# KiCad board computing-power-hub.kicad_pcb
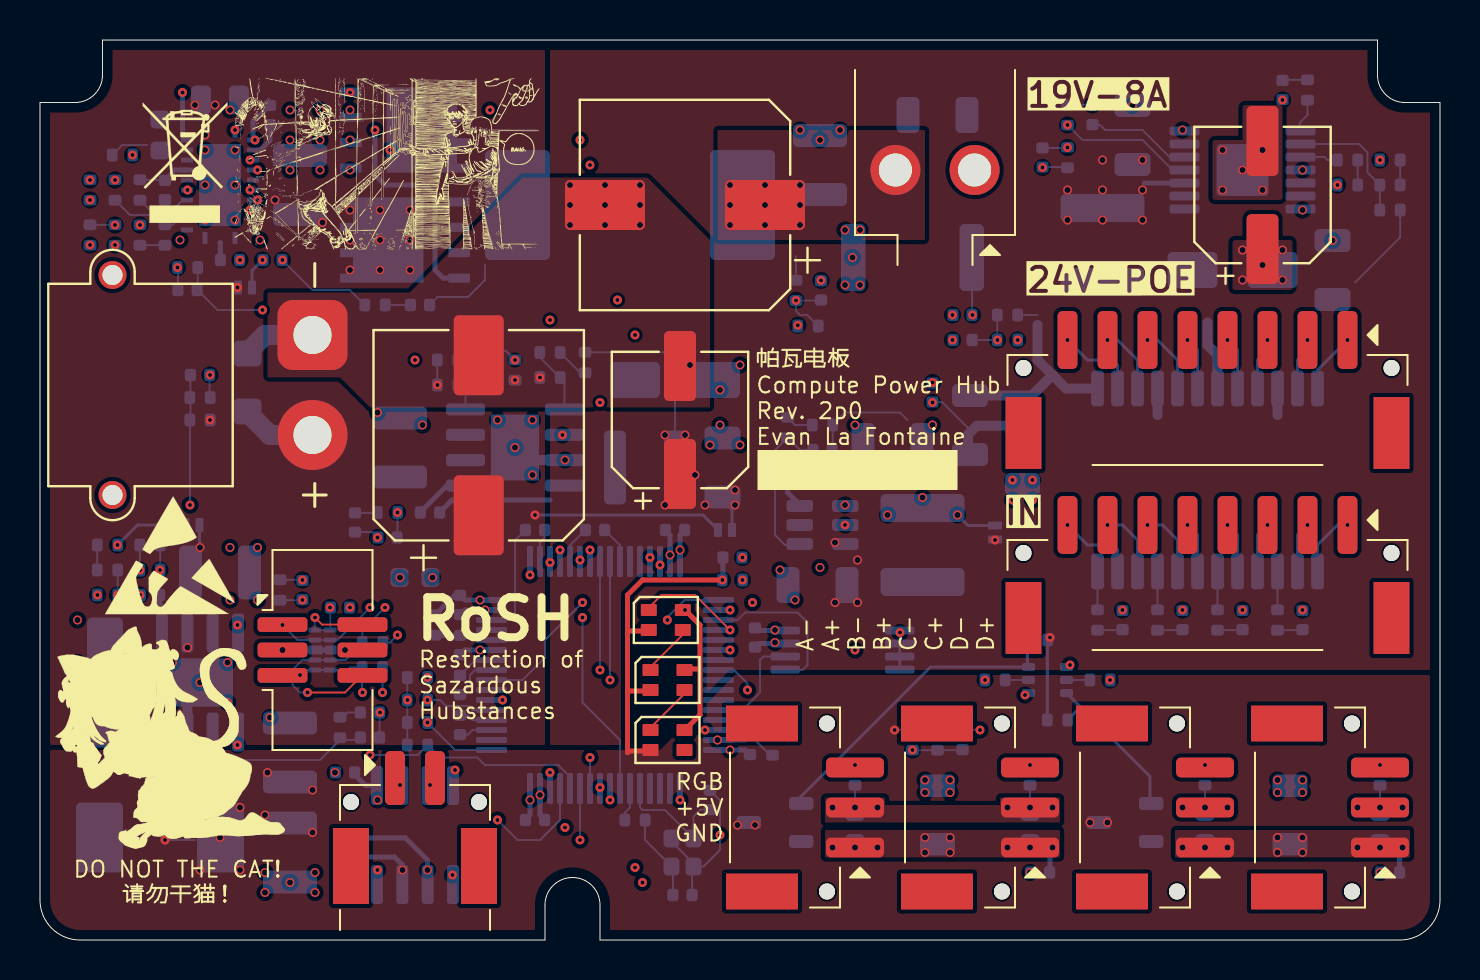
[diagram p0: board, top side]
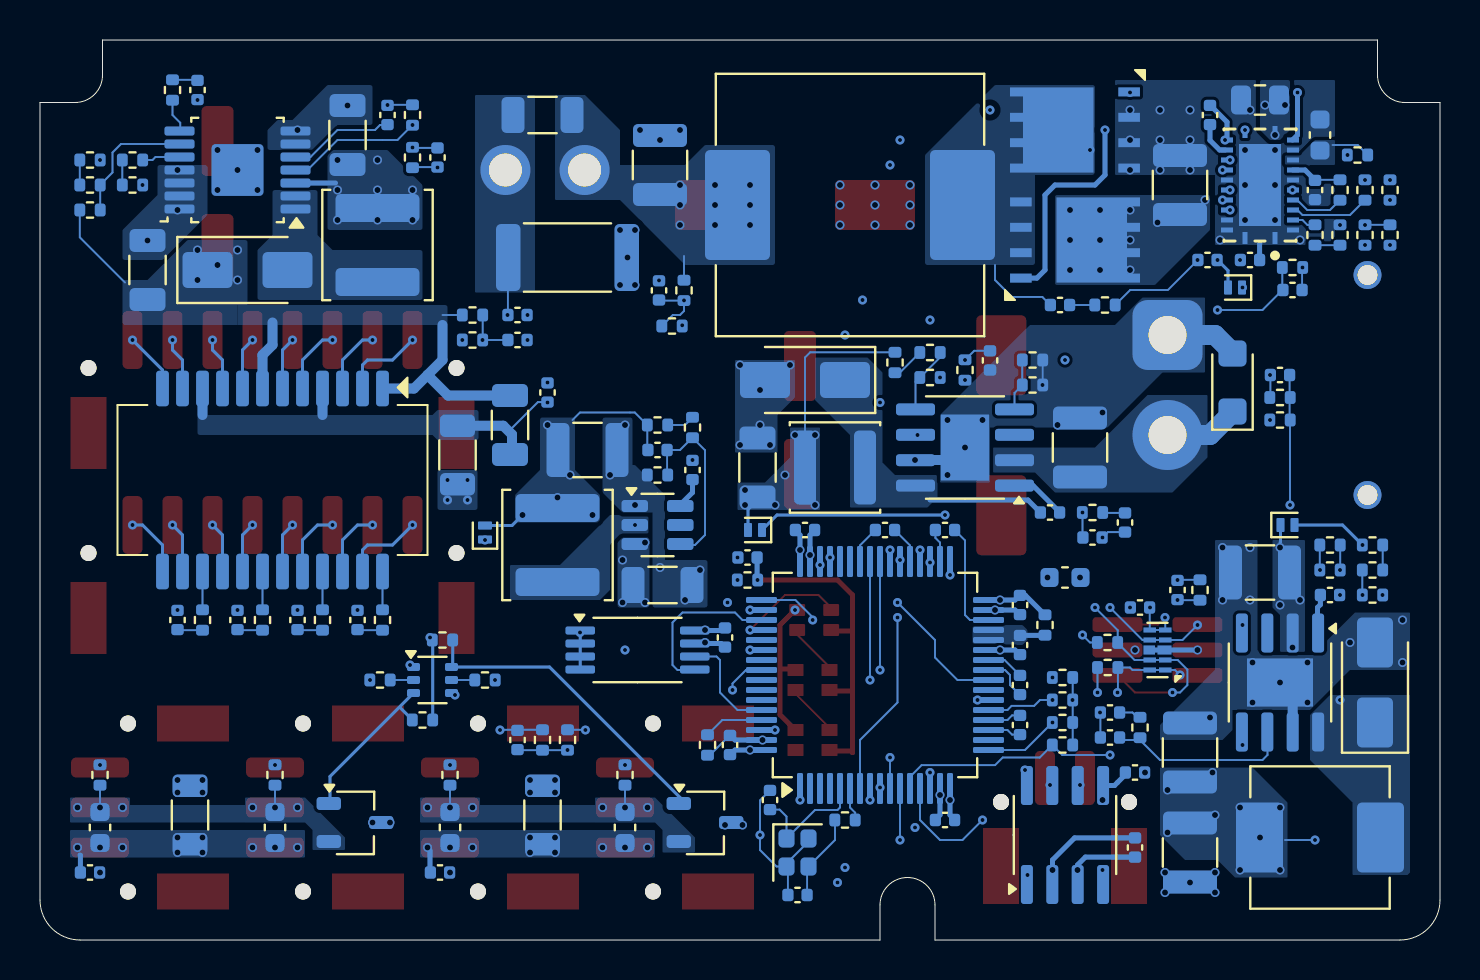
[diagram p1: board, bottom side, seen from below]

Outline 70 x 45 mm; copper layers: Top, In1.Cu, In2.Cu, In3.Cu, In4.Cu, Bottom. Coordinates in mm from the lower left corner of the outline.
Outline path: 0,41.88 0,2 arc(0.59,0.59) 2,0 25.25,0 25.25,1.75 arc(26.62,3.12) 28,1.75 28,0 68,0 arc(69.41,0.59) 70,2 70,41.88 68.25,41.88 arc(67.28,42.28) 66.88,43.25 66.88,45 3.12,45 3.12,43.25 arc(2.72,42.28) 1.75,41.88 0,41.88
Stack: Top 0.035mm / dielectric 0.1mm FR4 er 4.5 / In1.Cu 0.035mm / dielectric 0.535mm FR4 er 4.5 / In2.Cu 0.035mm / dielectric 0.1mm FR4 er 4.5 / In3.Cu 0.035mm / dielectric 0.535mm FR4 er 4.5 / In4.Cu 0.035mm / dielectric 0.1mm FR4 er 4.5 / Bottom 0.035mm

## Placement (name value [footprint] x y rotation side)
C101  220n  [C_0402_1005Metric]  15.25 4.62 270 bottom
C106  10p  [C_0402_1005Metric]  33.5 7 270 bottom
C107  10p  [C_0402_1005Metric]  32.12 2.25 180 bottom
C108  100p  [C_0402_1005Metric]  21 10.75 90 bottom
C109  100p  [C_0402_1005Metric]  21 12.75 270 bottom
C110  100p  [C_0402_1005Metric]  24.75 20.5 0 bottom
C111  100p  [C_0402_1005Metric]  27.75 20.5 180 bottom
C112  10n  [C_0402_1005Metric]  15 16.62 180 bottom
C114  220n  [C_0402_1005Metric]  13.12 17.5 270 bottom
C115  220n  [C_0402_1005Metric]  22.5 28.98 90 bottom
C116  220n  [C_0402_1005Metric]  50.12 39.12 270 bottom
C117  220n  [C_0402_1005Metric]  7.38 32.5 0 bottom
C118  220n  [C_0402_1005Metric]  21 14.75 90 bottom
C120  220n  [C_0402_1005Metric]  35.5 9.75 270 bottom
C121  220n  [C_0402_1005Metric]  31.75 20.5 0 bottom
C122  220n  [C_0402_1005Metric]  24.75 6 180 bottom
C123  220n  [C_0402_1005Metric]  21 16.75 90 bottom
C124  220n  [C_0402_1005Metric]  35.75 15.12 90 bottom
C125  220n  [C_0402_1005Metric]  15.25 8.38 0 bottom
C126  220n  [C_0402_1005Metric]  34.62 19.12 180 bottom
C201  220n  [C_0402_1005Metric]  9.5 34 0 bottom
C202  33n  [C_0402_1005Metric]  11.62 34 180 bottom
C203  33n  [C_0402_1005Metric]  19 31.75 180 bottom
C210  4u7  [C_1210_3225Metric]  13 37.75 270 bottom
C211  2u2  [C_0603_1608Metric]  6 40.25 270 bottom
C212  220n  [C_0402_1005Metric]  6.25 37.5 90 bottom
C213  100n  [C_0402_1005Metric]  11.5 41.25 90 bottom
C214  4u7  [C_1210_3225Metric]  39 38.75 270 bottom
C215  270u  [CP_Elec_10x10]  32.25 36.75 180 top
C216  10n  [C_0402_1005Metric]  39.05 32.48 270 bottom
C217  330n  [C_0805_2012Metric]  9 42 180 bottom
C220  4u7  [C_1210_3225Metric]  18 24.62 270 bottom
C221  3n3  [C_0402_1005Metric]  15.75 20.88 90 bottom
C222  33p  [C_0402_1005Metric]  17.38 20.12 0 bottom
C223  100n  [C_0402_1005Metric]  19.5 21.38 0 bottom
C224  4u7  [C_1206_3216Metric]  34.12 23.62 270 bottom
C225  68u  [CP_Elec_6.3x7.7]  32 26 90 top
C230  4u7  [C_1210_3225Metric]  9 18.38 180 bottom
C231  3n3  [C_0402_1005Metric]  16.5 11.38 180 bottom
C232  33p  [C_0402_1005Metric]  16.5 10.12 180 bottom
C233  100n  [C_0402_1005Metric]  5.5 17.25 180 bottom
C234  22u  [C_1210_3225Metric]  12.5 4.38 90 bottom
C235  22u  [C_1210_3225Metric]  12.5 9.38 270 bottom
C236  10n  [C_0402_1005Metric]  46.12 10 270 bottom
C240  4u7  [C_1206_3216Metric]  54.62 40.25 270 bottom
C241  33n  [C_0402_1005Metric]  52.62 41.25 270 bottom
C242  10n  [C_0402_1005Metric]  62.12 42.5 90 bottom
C243  2u2  [C_1206_3216Metric]  64.62 33.5 270 bottom
C244  68u  [CP_Elec_6.3x7.7]  61.12 37.25 90 top
C245  10n  [C_0402_1005Metric]  46.12 30 0 bottom
C250  2u2  [C_1206_3216Metric]  38.88 17.75 0 bottom
C251  220n  [C_0402_1005Metric]  37.38 23.5 90 bottom
C252  33p  [C_0402_1005Metric]  39.12 24.5 0 bottom
C253  10u  [C_1210_3225Metric]  42.62 24.5 0 bottom
C260  2u2  [C_0603_1608Metric]  18.75 18.12 0 bottom
C301  2u2  [C_0603_1608Metric]  49.5 5.62 270 bottom
C302  2u2  [C_0603_1608Metric]  40.75 5.62 270 bottom
C303  2u2  [C_0603_1608Metric]  58.25 5.62 270 bottom
C304  2u2  [C_0603_1608Metric]  67 5.62 270 bottom
C306  2u2  [C_1206_3216Metric]  44.88 41.25 180 bottom
C307  2u2  [C_1206_3216Metric]  46.5 25.75 90 bottom
C308  220n  [C_0402_1005Metric]  67.5 3.38 0 bottom
C310  270u  [CP_Elec_10x10]  21.94 25.24 90 top
C311  10n  [C_0402_1005Metric]  8 28.25 180 bottom
C320  1n  [C_0402_1005Metric]  54.12 16 270 bottom
C321  1n  [C_0402_1005Metric]  57.12 16 270 bottom
C322  1n  [C_0402_1005Metric]  60.12 16 270 bottom
C323  1n  [C_0402_1005Metric]  63.12 16 270 bottom
C324  220n  [C_0402_1005Metric]  44.62 27.38 270 bottom
C330  220n  [C_0402_1005Metric]  46.12 31.25 0 bottom
C350  220n  [C_0402_1005Metric]  50 3.38 0 bottom
D101  -  [WS2812B-2020]  31.38 13 0 top
D102  -  [WS2812B-2020]  31.29 16 0 top
D104  3V3  [Diodes_UDFN-10_1.0x2.5mm_P0.5mm]  14.12 14.5 0 bottom
D105  -  [WS2812B-2020]  31.38 10 0 top
D201  SBR0240LP-7  [D_SOD-882]  10.25 32.62 0 bottom
D202  SBR0240LP-7  [D_SOD-882]  34.25 20.5 0 bottom
D203  SBR0240LP-7  [D_SOD-882]  7.62 20.75 180 bottom
D204  SBR0240LP-7  [D_SOD-882]  47.75 20.38 90 bottom
D220  D_Schottky_Small  [D_SMA]  31.75 28 0 bottom
D230  D_Schottky_Small  [D_SMA]  3.25 12.88 90 bottom
D240  D_Schottky_Small  [D_SMA]  59.62 33.5 180 bottom
D310  30V  [D_SMF]  10.38 27.88 90 bottom
J101  IDC_6P  [IDC6]  14.12 14.5 270 top
J105  -  [BM03B-PASS]  40.75 6.62 270 top
J106  -  [BM03B-PASS]  49.5 6.62 270 top
J107  -  [BM03B-PASS]  58.25 6.62 270 top
J108  -  [BM03B-PASS]  67 6.62 270 top
J109  -  [SM02B-PASS]  18.75 0 180 top
J310  XT30M  [AMASS_XT30PW-M_1x02_P2.50mm_Horizontal]  13.62 30.25 90 top
J320  -  [BM08B-PASS]  58.38 20.75 0 top
J321  -  [BM08B-PASS]  58.38 30 0 top
J330  S2P-VH  [B2P-VH]  44.75 43.5 0 top
L210  4u7  [L_Changjiang_FXL1360]  29.5 36.75 0 bottom
L220  4u7  [L_Changjiang_FNR4020S]  30.25 23.62 0 bottom
L230  2u2  [L_Changjiang_FXL0630]  6 5.12 0 bottom
L240  15u  [L_Changjiang_FNR5040S]  53.12 34.75 270 bottom
L250  15u  [L_Changjiang_FNR5040S]  44.12 19.75 90 bottom
L260  600R  [R_0402_1005Metric]  19.75 15.75 270 bottom
Q210  IRFH7440TRPBF  [PQFN_5x6mm_E_DGS]  18.25 35 180 bottom
Q211  IRFH7440TRPBF  [PQFN_5x6mm_E_DGS]  18.25 40.5 0 bottom
Q301  SSM3K333R  [TSOT-23]  36.75 5.88 180 bottom
Q302  BC846S  [SOT-363]  50.38 13 180 bottom
Q303  SSM3K333R  [TSOT-23]  54.25 5.88 180 bottom
R101  10k  [R_0402_1005Metric]  16.62 14.88 0 bottom
R102  10k  [R_0402_1005Metric]  16.61 13.62 0 bottom
R115  1k  [R_0402_1005Metric]  34.62 18 0 bottom
R116  470R  [R_0402_1005Metric]  29.75 6 180 bottom
R119  10k  [R_0402_1005Metric]  36.62 9.75 270 bottom
R120  2k2  [R_0402_1005Metric]  18.88 12 0 bottom
R121  2k2  [R_0402_1005Metric]  18.88 10.88 0 bottom
R122  2k2  [R_0402_1005Metric]  18.88 13.12 0 bottom
R123  2k2  [R_0402_1005Metric]  18.88 9.75 0 bottom
R201  10k  [R_0402_1005Metric]  16.75 31.75 180 bottom
R210  10k  [R_0402_1005Metric]  2.5 37.5 270 bottom
R211  100k  [R_0402_1005Metric]  5 37.5 270 bottom
R212  10k  [R_0402_1005Metric]  4.12 39.25 0 bottom
R213  6k8  [R_0402_1005Metric]  6.25 35.25 270 bottom
R214  33k  [R_0402_1005Metric]  5 35.25 90 bottom
R215  22k  [R_0402_1005Metric]  3.75 37.5 90 bottom
R216  220k  [R_0402_1005Metric]  3.75 35.25 90 bottom
R217  10k  [R_0402_1005Metric]  2.5 35.25 270 bottom
R219  100k  [R_0402_1005Metric]  37.8 32.48 270 bottom
R220  10k  [R_0402_1005Metric]  17.38 21.38 180 bottom
R221  100k  [R_0402_1005Metric]  20.38 27.75 180 bottom
R222  220k  [R_0402_1005Metric]  20.38 29 180 bottom
R223  100k  [R_0402_1005Metric]  27.25 28.88 270 bottom
R224  47k  [R_0402_1005Metric]  25.5 29.38 180 bottom
R225  10k  [R_0402_1005Metric]  25.5 28.12 180 bottom
R230  10k  [R_0402_1005Metric]  15 10.62 90 bottom
R231  100k  [R_0402_1005Metric]  5.5 18.5 180 bottom
R232  220k  [R_0402_1005Metric]  5.5 19.75 180 bottom
R233  47k  [R_0402_1005Metric]  3.38 19.75 180 bottom
R234  4k7  [R_0402_1005Metric]  3.38 18.5 0 bottom
R235  10k  [R_0402_1005Metric]  3.38 17.25 180 bottom
R236  10k  [R_0402_1005Metric]  43.62 10 270 bottom
R240  10k  [R_0402_1005Metric]  51.38 41.25 90 bottom
R241  47k  [R_0402_1005Metric]  65.38 39 0 bottom
R242  22k  [R_0402_1005Metric]  65.38 37.75 180 bottom
R243  4k7  [R_0402_1005Metric]  63.38 42.5 90 bottom
R244  220k  [R_0402_1005Metric]  67.5 36.5 180 bottom
R246  10k  [R_0402_1005Metric]  67.5 37.75 0 bottom
R247  1k5  [R_0402_1005Metric]  67.5 39 180 bottom
R248  100k  [R_0402_1005Metric]  48.38 31.25 180 bottom
R249  10k  [R_0402_1005Metric]  48.38 30 0 bottom
R250  22k  [R_0402_1005Metric]  39.12 25.75 180 bottom
R251  10k  [R_0402_1005Metric]  37.38 25.62 270 bottom
R252  10k  [R_0402_1005Metric]  39.12 23.25 0 bottom
R270  10k  [R_0402_1005Metric]  38.4 30.7 180 bottom
R301  50m  [R_1206_3216Metric]  62.5 6.25 90 bottom
R302  10k  [R_0402_1005Metric]  47.75 13 180 bottom
R303  100k  [R_0402_1005Metric]  50.88 11 0 bottom
R310  220k  [R_0402_1005Metric]  8 26 180 bottom
R311  10k  [R_0402_1005Metric]  8 27.12 0 bottom
R320  47R  [R_0402_1005Metric]  52.88 16 270 bottom
R321  47R  [R_0402_1005Metric]  55.88 16 270 bottom
R322  47R  [R_0402_1005Metric]  58.88 16 270 bottom
R323  47R  [R_0402_1005Metric]  61.88 16 270 bottom
R324  100m  [R_1206_3216Metric]  49.12 24.25 270 bottom
R327  10k  [R_0402_1005Metric]  44.88 10 90 bottom
R330  20m  [R_2512_6332Metric]  43.62 34.12 180 bottom
R350  10k  [R_0402_1005Metric]  53 13 0 bottom
R351  100k  [R_0402_1005Metric]  49.88 15 180 bottom
R352  1k  [R_0402_1005Metric]  40.75 8.25 270 bottom
R353  1k  [R_0402_1005Metric]  49.5 8.25 270 bottom
R354  1k  [R_0402_1005Metric]  58.25 8.25 270 bottom
R355  1k  [R_0402_1005Metric]  67 8.25 270 bottom
R356  50m  [R_1206_3216Metric]  44.88 6.25 90 bottom
REF**  -  [ESD-Logo_6.6x6mm_SilkScreen]  6.5 19.25 0 top
REF**#2  -  [WEEE-Logo_4.2x6mm_SilkScreen]  7.25 38.88 0 top
TH101  10k  [R_0402_1005Metric]  12 17.5 90 bottom
TH102  10k  [R_0402_1005Metric]  23.75 28.5 270 bottom
TH103  10k  [R_0402_1005Metric]  51.38 39.12 90 bottom
TH104  10k  [R_0402_1005Metric]  7.38 33.62 180 bottom
TR101  G2419S  [Transformer_Ethernet]  58.38 23 270 bottom
U101  STM32G474_ComputePower  [LQFP-64-0.5]  28.25 13.25 90 bottom
U102  TCAN1462V  [SOIC-8_3.9x4.9mm_P1.27mm]  18.75 5.25 90 bottom
U103  ZD24C128A  [TSSOP-8_4.4x3mm_P0.65mm]  40.12 14.5 180 bottom
U201  LM5148  [RGY0024E-MFG]  9 37.75 0 bottom
U220  TPS54560BDDA  [SOIC-8-1EP_3.9x4.9mm_P1.27mm_EP2.41x3.3mm]  23.75 24.62 0 bottom
U230  TPS54560BDDA  [SOIC-8-1EP_3.9x4.9mm_P1.27mm_EP2.41x3.3mm]  8 12.88 270 bottom
U240  TPS61175  [PowerPAD_HTSSOP-14_4.4x5.0-0.65-EP]  60.12 38.5 0 bottom
U250  AP62200TWU  [TSOT-23-6]  39.12 20.75 180 bottom
Y101  24Mhz  [Crystal_SMD_2016-4Pin_2.0x1.6mm]  32.12 4.38 270 bottom

## Library data of the parts
C101 C106-C112 C114-C118 C120-C126 C201-C203 C210-C214 C216 C217 C220-C224 C230-C236 C240-C243 C245 C250-C253 C260 C301-C304 C306-C308 C311 C320-C324 C330 C350 = -: ki_fp_filters: C_*
C215 C225 C244 C310 = -: ki_fp_filters: CP_*
D101 D102 D105 = -: ki_fp_filters: LED*WS2812*-2020_PLCC4*
D104 D201-D204 D220 D230 D240 D310 = -: ki_fp_filters: TO-???* *_Diode_* *SingleDiode* D_*
J105-J109 J310 J320 J321 J330 = -: ki_fp_filters: Connector*:*_1x??_*
L210 L220 L230 L240 L250 L260 = -: ki_fp_filters: Choke_* *Coil* Inductor_* L_*
Q210 Q211 = -: Datasheet: https://www.infineon.com/assets/row/public/documents/24/42/an-1136j.pdf?fileId=5546d46256fb43b301574c5f123f7bde; Description: Infineon PQFN 5x6mm MOSFET package
R101 R102 R115 R116 R119-R123 R201 R210-R217 R219-R225 R230-R236 R240-R244 R246-R252 R270 R301-R303 R310 R311 R320-R324 R327 R330 R350-R356 TH101-TH104 = -: ki_fp_filters: R_*
TR101 = -: ki_fp_filters: Transformer*Ethernet*YDS*30F?51NL*
U101 = -: ki_fp_filters: LQFP64-10x10mm
U103 = -: ki_fp_filters: DIP*W7.62mm* SOIC*3.9x4.9mm* TSSOP*4.4x3mm*P0.65mm* DFN*3x2mm*P0.5mm*
U220 U230 = -: ki_fp_filters: Texas*R*PDSO*G8*
U250 = -: ki_fp_filters: TSOT?23*
Y101 = -: ki_fp_filters: Crystal*

## Footprints (pads in the part's own frame, mm; a bottom-side part is the same pattern mirrored in y, then rotated)
AMASS_XT30PW-M_1x02_P2.50mm_Horizontal
  round 1.4 hole 1: (-8,10) (3,10)
  rrect 3.5x3.5 hole 1.9: 1(0,0)
  round 3.5 hole 1.9: 2(-5,0)
B2P-VH
  round 2.5 hole 1.65: 1(1.98,-5) 2(-1.98,-5)
BM03B-PASS
  round 0.8 hole 0.8 unplated: (-4.2,-1.4) (4.2,-1.4)
  rect 1.8x3.6 smd: (-4.2,-4.65) (4.2,-4.65)
  rrect 1x2.9 smd: 1(2,0) 2(0,0) 3(-2,0)
BM08B-PASS
  round 0.8 hole 0.8 unplated: (-9.2,-1.4) (9.2,-1.4)
  rect 1.8x3.6 smd: (-9.2,-4.65) (9.2,-4.65)
  rrect 1x2.9 smd: 1(7,0) 2(5,0) 3(3,0) 4(1,0) 5(-1,0) 6(-3,0) 7(-5,0) 8(-7,0)
C_0402_1005Metric
  rrect 0.56x0.62 smd: 1(-0.48,0) 2(0.48,0)
C_0603_1608Metric
  rrect 0.9x0.95 smd: 1(-0.775,0) 2(0.775,0)
C_0805_2012Metric
  rrect 1x1.45 smd: 1(-0.95,0) 2(0.95,0)
C_1206_3216Metric
  rrect 1.15x1.8 smd: 1(-1.475,0) 2(1.475,0)
C_1210_3225Metric
  rrect 1.15x2.7 smd: 1(-1.475,0) 2(1.475,0)
CP_Elec_6.3x7.7
  rrect 3.5x1.6 smd: 1(-2.7,0) 2(2.7,0)
CP_Elec_10x10
  rrect 4x2.5 smd: 1(-4,0) 2(4,0)
Crystal_SMD_2016-4Pin_2.0x1.6mm
  rrect 0.9x0.8 smd: 1(-0.7,-0.55) 2(0.7,-0.55) 3(0.7,0.55) 4(-0.7,0.55)
D_SMA
  rrect 2.5x1.8 smd: 1(-2,0) 2(2,0)
D_SMF
  rrect 1.3x1.4 smd: 1(-1.45,0) 2(1.45,0)
D_SOD-882
  rrect 0.3x0.6 smd: (-0.35,0) (0.35,0)
  rrect 0.4x0.7 smd: 1(-0.35,0) 2(0.35,0)
Diodes_UDFN-10_1.0x2.5mm_P0.5mm
  rect 0.625x0.25 smd: 1(-0.388,1) 2(-0.388,0.5) 4(-0.388,-0.5) 5(-0.388,-1) 6(0.388,-1) 7(0.388,-0.5) 9(0.388,0.5) 10(0.388,1)
  rect 0.7x0.45 smd: 3(-0.35,0)
  rect 0.575x0.45 smd: 8(0.412,0)
IDC6
  rrect 0.74x2.5 smd: 1(-1.27,-2) 2(-1.27,2) 3(0,-2) 4(0,2) 5(1.27,-2) 6(1.27,2)
L_Changjiang_FNR4020S
  rrect 1.1x3.7 smd: 1(-1.5,0) 2(1.5,0)
L_Changjiang_FNR5040S
  rrect 1.4x4.2 smd: 1(-1.85,0) 2(1.85,0)
L_Changjiang_FXL0630
  rrect 2.35x3.5 smd: 1(-3.025,0) 2(3.025,0)
L_Changjiang_FXL1360
  rrect 3.25x5.5 smd: 1(-5.625,0) 2(5.625,0)
LQFP-64-0.5
  rrect 1.55x0.3 smd: 1(-5.675,3.75) 2(-5.675,3.25) 3(-5.675,2.75) 4(-5.675,2.25) 5(-5.675,1.75) 6(-5.675,1.25) 7(-5.675,0.75) 8(-5.675,0.25) 9(-5.675,-0.25) 10(-5.675,-0.75) 11(-5.675,-1.25) 12(-5.675,-1.75) 13(-5.675,-2.25) 14(-5.675,-2.75) 15(-5.675,-3.25) 16(-5.675,-3.75) 33(5.675,-3.75) 34(5.675,-3.25) 35(5.675,-2.75) 36(5.675,-2.25) 37(5.675,-1.75) 38(5.675,-1.25) 39(5.675,-0.75) 40(5.675,-0.25) 41(5.675,0.25) 42(5.675,0.75) 43(5.675,1.25) 44(5.675,1.75) 45(5.675,2.25) 46(5.675,2.75) 47(5.675,3.25) 48(5.675,3.75)
  rrect 0.3x1.55 smd: 17(-3.75,-5.675) 18(-3.25,-5.675) 19(-2.75,-5.675) 20(-2.25,-5.675) 21(-1.75,-5.675) 22(-1.25,-5.675) 23(-0.75,-5.675) 24(-0.25,-5.675) 25(0.25,-5.675) 26(0.75,-5.675) 27(1.25,-5.675) 28(1.75,-5.675) 29(2.25,-5.675) 30(2.75,-5.675) 31(3.25,-5.675) 32(3.75,-5.675) 49(3.75,5.675) 50(3.25,5.675) 51(2.75,5.675) 52(2.25,5.675) 53(1.75,5.675) 54(1.25,5.675) 55(0.75,5.675) 56(0.25,5.675) 57(-0.25,5.675) 58(-0.75,5.675) 59(-1.25,5.675) 60(-1.75,5.675) 61(-2.25,5.675) 62(-2.75,5.675) 63(-3.25,5.675) 64(-3.75,5.675)
PowerPAD_HTSSOP-14_4.4x5.0-0.65-EP
  rrect 1.1x0.45 smd: (-3.11,-1.95) (-3.11,-1.3) (-3.11,-0.65) (-3.1,0) (-3.1,0.65) (-3.1,1.3) (-3.1,1.95) (3.09,-1.95) (3.09,-1.3) (3.09,-0.65) (3.1,0) (3.1,0.65) (3.1,1.3) (3.1,1.95)
  rrect 0.995x0.99 smd: (-0.65,-0.625) (-0.65,0.655) (0.652,-0.625) (0.652,0.655)
  rrect 1.5x0.45 smd: 1(-2.9,1.95) 2(-2.9,1.3) 3(-2.9,0.65) 4(-2.9,0) 5(-2.9,-0.65) 6(-2.9,-1.3) 7(-2.9,-1.95) 8(2.9,-1.95) 9(2.9,-1.3) 10(2.9,-0.65) 11(2.9,0) 12(2.9,0.65) 13(2.9,1.3) 14(2.9,1.95)
  rrect 2.6x2.59 smd: 15(0,0)
PQFN_5x6mm_E_DGS
  custom 4.18x4.26 smd: 1(0.838,0)
  rect 1.08x0.45 smd: 2(-2.708,-1.905) 3(-2.708,-0.635) 3(-2.708,0.635) 3(-2.708,1.905)
R_0402_1005Metric
  rrect 0.54x0.64 smd: 1(-0.51,0) 2(0.51,0)
R_1206_3216Metric
  rrect 1.125x1.75 smd: 1(-1.462,0) 2(1.462,0)
R_2512_6332Metric
  rrect 1.225x3.35 smd: 1(-2.962,0) 2(2.962,0)
RGY0024E-MFG
  rect 0.25x0.6 smd: 1(-0.75,2.65) 12(-0.75,-2.65) 13(0.75,-2.65) 24(0.75,2.65)
  rect 0.6x0.25 smd: 2(-1.65,2.25) 3(-1.65,1.75) 4(-1.65,1.25) 5(-1.65,0.75) 6(-1.65,0.25) 7(-1.65,-0.25) 8(-1.65,-0.75) 9(-1.65,-1.25) 10(-1.65,-1.75) 11(-1.65,-2.25) 14(1.65,-2.25) 15(1.65,-1.75) 16(1.65,-1.25) 17(1.65,-0.75) 18(1.65,-0.25) 19(1.65,0.25) 20(1.65,0.75) 21(1.65,1.25) 22(1.65,1.75) 23(1.65,2.25)
  rect 2.1x4.1 smd: 25(0,0)
SM02B-PASS
  rect 1.8x3.8 smd: (-3.2,-3.7) (3.2,-3.7)
  round 0.8 hole 0.8 unplated: (-3.2,-6.9) (3.2,-6.9)
  rrect 1x2.7 smd: 1(1,-8.1) 2(-1,-8.1)
SOIC-8-1EP_3.9x4.9mm_P1.27mm_EP2.41x3.3mm
  rrect 0.97x1.33 smd: (-0.6,-0.825) (-0.6,0.825) (0.6,-0.825) (0.6,0.825)
  rrect 1.95x0.6 smd: 1(-2.475,1.905) 2(-2.475,0.635) 3(-2.475,-0.635) 4(-2.475,-1.905) 5(2.475,-1.905) 6(2.475,-0.635) 7(2.475,0.635) 8(2.475,1.905)
  rect 2.41x3.3 smd: 9(0,0)
SOIC-8_3.9x4.9mm_P1.27mm
  rrect 1.95x0.6 smd: 1(-2.475,1.905) 2(-2.475,0.635) 3(-2.475,-0.635) 4(-2.475,-1.905) 5(2.475,-1.905) 6(2.475,-0.635) 7(2.475,0.635) 8(2.475,1.905)
SOT-363
  rrect 0.65x0.4 smd: 1(-0.95,0.65) 2(-0.95,0) 3(-0.95,-0.65) 4(0.95,-0.65) 5(0.95,0) 6(0.95,0.65)
Transformer_Ethernet
  rrect 1.78x0.64 smd: 1(-4.575,5.5) 2(-4.575,4.5) 3(-4.575,3.5) 4(-4.575,2.5) 5(-4.575,1.5) 6(-4.575,0.5) 7(-4.575,-0.5) 8(-4.575,-1.5) 9(-4.575,-2.5) 10(-4.575,-3.5) 11(-4.575,-4.5) 12(-4.575,-5.5) 13(4.575,-5.5) 14(4.575,-4.5) 15(4.575,-3.5) 16(4.575,-2.5) 17(4.575,-1.5) 18(4.575,-0.5) 19(4.575,0.5) 20(4.575,1.5) 21(4.575,2.5) 22(4.575,3.5) 23(4.575,4.5) 24(4.575,5.5)
TSOT-23
  rrect 1.22x0.65 smd: 1(-1.31,0.95) 2(-1.31,-0.95) 3(1.31,0)
TSOT-23-6
  rrect 1.325x0.6 smd: 1(-1.137,0.95) 2(-1.137,0) 3(-1.137,-0.95) 4(1.137,-0.95) 5(1.137,0) 6(1.137,0.95)
TSSOP-8_4.4x3mm_P0.65mm
  rrect 1.475x0.4 smd: 1(-2.862,0.975) 2(-2.862,0.325) 3(-2.862,-0.325) 4(-2.862,-0.975) 5(2.862,-0.975) 6(2.862,-0.325) 7(2.862,0.325) 8(2.862,0.975)
WS2812B-2020
  rrect 0.8x0.6 smd: 1(0.85,-0.5) 2(0.85,0.5) 3(-0.85,0.5) 4(-0.85,-0.5)

## Nets
+5V: C101.2 C126.2 C201.2 C234.2 C235.2 D101.4 D102.4 D105.4 D203.2 L230.2 Q301.3 Q303.3 R115.1 R233.1 R236.1 U102.3 U201.16
+12V: C224.2 C225.1 C240.2 C250.2 D202.2 D204.1 L220.2 L240.1 R223.1 R303.1 R351.1 U240.3 U250.3
+19V: C202.2 C214.2 C215.1 C306.2 D201.2 J330.2 L210.2 R216.1 R219.1 U201.21
+24V: C243.2 C244.1 C307.2 D240.1 R244.1 R248.1 TR101.1 TR101.7
/Regulators/3V3_{BST}: C251.1 U250.6
/Regulators/3V3_{FBM}: R250.2 R251.1
/Regulators/3V3_{FB}: C252.1 R251.2 R252.1 U250.4
/Regulators/3V3_{SW}: C251.2 L250.1 U250.2
/Regulators/5V_{BST}: C233.1 U230.1
/Regulators/5V_{CLK}: R231.1 R232.1 U230.4
/Regulators/5V_{COMPM}: C231.2 R230.2
/Regulators/5V_{COMP}: C232.2 R230.1 U230.6
/Regulators/5V_{FBM}: R233.2 R234.1
/Regulators/5V_{FB}: R234.2 R235.1 U230.5
/Regulators/5V_{SW}: C233.2 D230.1 L230.1 U230.8
/Regulators/12V_{BST}: C223.1 U220.1
/Regulators/12V_{CLK}: R221.1 R222.1 U220.4
/Regulators/12V_{COMPM}: C221.2 R220.2
/Regulators/12V_{COMP}: C222.2 R220.1 U220.6
/Regulators/12V_{FBM}: R223.2 R224.1
/Regulators/12V_{FB}: R224.2 R225.1 U220.5
/Regulators/12V_{SW}: C223.2 D220.1 L220.1 U220.8
/Regulators/19V_{BOOT}: C213.1 U201.15
/Regulators/19V_{CNFGM}: R213.2 R214.1
/Regulators/19V_{CNFG}: R213.1 U201.3
/Regulators/19V_{EXTCOMP}: R211.2 U201.5
/Regulators/19V_{FB}: R216.2 R217.1 U201.6
/Regulators/19V_{HO}: Q210.2 U201.13
/Regulators/19V_{LO}: Q211.2 U201.11
/Regulators/19V_{PG}: R212.2 U201.17
/Regulators/19V_{RT}: R215.1 U201.4
/Regulators/19V_{SH}: C202.1 R201.2 U201.20
/Regulators/19V_{SW}: C203.1 C213.2 L210.1 Q210.3 Q211.1 U201.14
/Regulators/19V_{VCC}: C211.2 R212.1 U201.9
/Regulators/19V_{VDDA}: C212.2 R211.1 U201.8
/Regulators/24V_{COMPM}: C242.2 R243.2
/Regulators/24V_{COMP}: R243.1 U240.8
/Regulators/24V_{FBLM}: R246.2 R247.1
/Regulators/24V_{FB}: R244.2 R246.1 U240.9
/Regulators/24V_{FREQM}: R241.2 R242.1
/Regulators/24V_{FREQ}: R241.1 U240.10
/Regulators/24V_{SS}: C241.2 U240.5
/Regulators/24V_{SW}: D240.2 L240.2 U240.1 U240.2
GND: C101.1 C106.1 C107.1 C112.1 C114.1 C115.1 C116.1 C117.1 C118.1 C120.1 C121.1 C122.1 C123.1 C124.1 C125.1 C126.1 C201.1 C210.1 C211.1 C212.1 C214.1 C215.2 C216.1 C217.1 C220.1 C221.1 C222.1 C224.1 C225.2 C230.1 C231.1 C232.1 C234.1 C235.1 C236.1 C240.1 C241.1 C242.1 C243.1 C244.2 C245.1 C250.1 C253.1 C260.1 C308.1 C310.2 C311.1 C320.1 C321.1 C322.1 C323.1 C324.1 C330.1 C350.1 D101.2 D102.2 D104.3 D104.8 D105.2 D220.2 D230.2 D310.2 J101.3 J310.1 Q211.3 Q302.1 Q302.4 R101.2 R119.2 R210.2 R214.2 R215.2 R217.2 R221.2 R222.2 R225.2 R231.2 R232.2 R235.2 R240.2 R242.2 R247.2 R249.2 R252.2 R270.2 R301.2 R311.2 R324.2 R327.2 R330.2 R356.2 TH101.2 TH102.2 TH103.2 TH104.2 U101.15 U101.27 U101.31 U101.47 U101.63 U102.2 U102.8 U103.1 U103.2 U103.3 U103.4 U103.7 U201.1 U201.2 U201.7 U201.10 U201.18 U201.22 U201.23 U201.24 U201.25 U220.7 U220.9 U230.7 U230.9 U240.6 U240.7 U240.11 U240.12 U240.13 U240.14 U240.15 U250.1 Y101.2 Y101.4
VBUS: C210.2 C217.2 C220.2 C230.2 C310.1 D201.1 D202.1 D203.1 D310.1 J310.2 Q210.1 R310.1 U201.12 U220.2 U230.2
VDD: C120.2 C121.2 C122.2 C123.2 C124.2 C125.2 C252.2 C253.2 C260.2 D204.2 J101.4 L250.2 L260.1 R102.2 R120.1 R121.1 R122.1 R123.1 R250.1 U101.1 U101.16 U101.32 U101.48 U101.64 U102.5 U103.8
VDDA: C118.2 L260.2 U101.28 U101.29
/ARGB_{I,0}: D102.3 R115.2 U101.52
/ARGB_{I,1}: D101.3 D102.1
/ARGB_{I,2}: D101.1 D105.3
/CAN_RX: U101.45 U102.4
/CAN_TX: U101.46 U102.1
/CANH: J109.2 U102.7
/CANL: J109.1 U102.6
/Connectors/ARGB_{0}: J105.3 R352.1 U101.54
/Connectors/ARGB_{1}: J106.3 R353.1 U101.14
/Connectors/ARGB_{2}: J107.3 R354.1 U101.62
/Connectors/ARGB_{3}: J108.3 R355.1 U101.22
/Connectors/ETH_{IA+}: J320.8 TR101.23
/Connectors/ETH_{IA-}: J320.7 TR101.22
/Connectors/ETH_{IAM}: R320.1 TR101.24
/Connectors/ETH_{IAT}: C320.2 R320.2
/Connectors/ETH_{IB+}: J320.5 TR101.19
/Connectors/ETH_{IB-}: J320.6 TR101.20
/Connectors/ETH_{IBM}: R322.1 TR101.18
/Connectors/ETH_{IBT}: C322.2 R322.2
/Connectors/ETH_{IC+}: J320.3 TR101.16
/Connectors/ETH_{IC-}: J320.4 TR101.17
/Connectors/ETH_{ICM}: R321.1 TR101.21
/Connectors/ETH_{ICT}: C321.2 R321.2
/Connectors/ETH_{ID+}: J320.1 TR101.13
/Connectors/ETH_{ID-}: J320.2 TR101.14
/Connectors/ETH_{IDM}: R323.1 TR101.15
/Connectors/ETH_{IDT}: C323.2 R323.2